# Altium PCB USB3.2_Hub_4Port.PcbDoc (part 3 of 4)
Units mm, origin at the board's own origin, x right, y up, seen from the top; angles counter-clockwise.
Board outline 100 x 50 mm, 6 copper layers (Top Layer, Int1 (GND), Int2 (Sign), Int3 (PWR), Int4 (GND), Bottom Layer), stack 1.484 mm thick; 182 components, 122 nets, 691 pads, 1354 vias.
Unrouted connection lines stored in the file: 48.
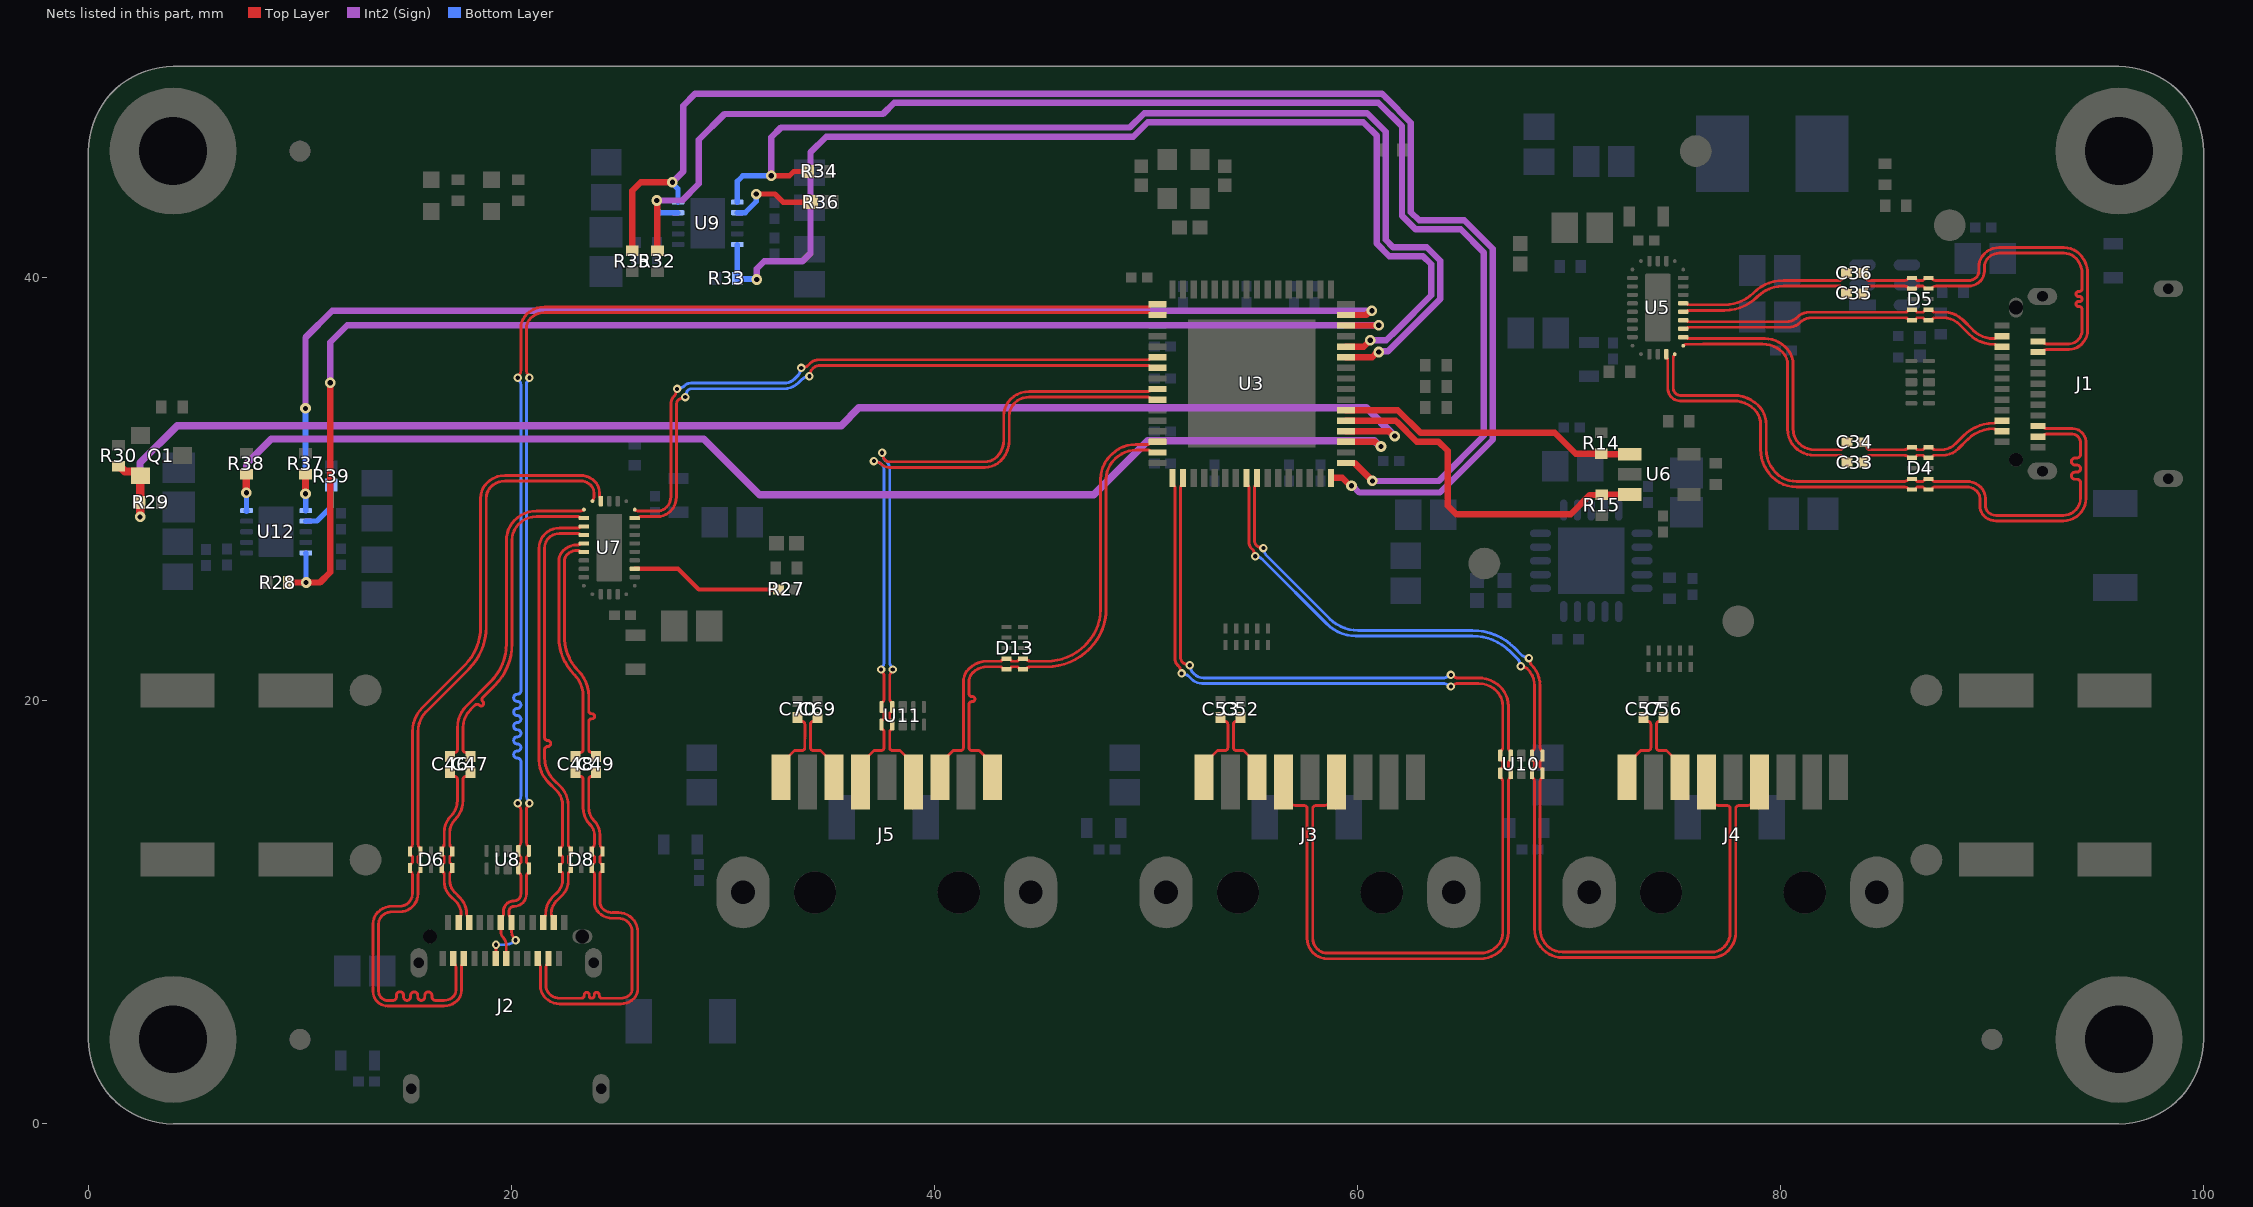
[diagram p7: the nets of this part, all layers, seen from the top]

## Via types
v1: diameter 0.4, hole 0.2, Top Layer to Bottom Layer, tented both sides, 905 vias
v2: diameter 0.5, hole 0.25, Top Layer to Bottom Layer, tented both sides, 358 vias
v3: diameter 0.6, hole 0.3, Top Layer to Bottom Layer, tented both sides, 48 vias
v4: diameter 0.5, hole 0.2, Top Layer to Bottom Layer, tented both sides, 20 vias
v5: diameter 0.5, hole 0.3, Top Layer to Bottom Layer, tented both sides, 9 vias
v6: diameter 1.2, hole 0.7, Top Layer to Bottom Layer, tented both sides, 4 vias
v7: diameter 1, hole 0.5, Top Layer to Bottom Layer, tented both sides, 4 vias
v8: diameter 0.45, hole 0.25, Top Layer to Bottom Layer, tented both sides, 4 vias
v9: diameter 0.5, hole 0.25, Top Layer to Bottom Layer, 2 vias

## Nets (pads, with @x,y where several pads share a name; then routed paths per layer and width w, separated by ;. In a path a pad name is that pad's centre, name@x,y a point inside that pad or via, vN(x,y) a via of type N, cw(c..) or ccw(c..) an arc to the next point about the centre after c; other vN are vias at no path point) (continued)
NetR27_2: R27.2 U7.3 | length 7.2
  Top Layer w0.2: U7.3@25.825,26.25 27.877,26.25 28.854,25.273 R27.2@32.621,25.273
NetR36_2: R36.2 U9.7 | length 4.2
  Top Layer w0.25: v2(31.572,43.967) 32.461,43.967 32.842,43.586 R36.2@34.138,43.586
  Bottom Layer w0.25: U9.7@30.678,43.085 30.683,43.09 31.051,43.09 31.572,43.612 v2(31.572,43.967)
NetR39_2: R39.2 U12.7 | length 2.5
  Bottom Layer w0.25: U12.7@10.275,28.5 10.28,28.505 10.801,28.505 11.469,29.173 11.469,30.192 R39.2@11.481,30.204
OVERCUR1: R28.2 U3.46 U12.10 | length 65.9
  Top Layer w0.3: R28.2@9.45,25.6 9.452,25.602 10.285,25.602 v2(10.287,25.603) 10.947,25.603 11.43,26.086 v2(11.43,35.052) ; U3.46@59.45,37.75 60.979,37.75 v2(60.998,37.77)
  Int2 (Sign) w0.3: v2(11.43,35.052) 11.43,36.957 12.243,37.77 v2(60.998,37.77)
  Bottom Layer w0.25: U12.10@10.276,27 10.281,26.995 10.281,25.609 v2(10.287,25.603)
OVERCUR2: R37.2 U3.47 U12.6 | length 61.4
  Top Layer w0.3: U3.47@59.45,38.25 60.421,38.25 60.626,38.456 v2(60.681,38.456)
  Top Layer w0.33: v2(10.262,29.794) R37.2@10.262,30.717
  Int2 (Sign) w0.3: v2(10.262,33.833) 10.262,37.186 11.532,38.456 v2(60.681,38.456)
  Bottom Layer w0.25: v2(10.262,29.794) 10.268,29.787 10.268,29.005 U12.6@10.275,29 U12.6@10.275,29
  Bottom Layer w0.3: v2(10.262,29.794) v2(10.262,33.833)
OVERCUR3: R33.2 U3.44 U9.10 | length 52.9
  Top Layer w0.3: U3.44@59.45,36.75 60.296,36.75 v2(60.604,37.059)
  Int2 (Sign) w0.3: v2(31.598,39.929) 31.598,40.437 31.953,40.792 33.757,40.792 34.138,41.173 34.138,45.949 34.874,46.685 49.401,46.685 50.083,47.367 60.278,47.367 60.909,46.736 60.909,41.631 61.507,41.033 61.874,41.033 63.097,41.033 63.486,40.644 63.486,39.179 61.874,37.567 61.366,37.059 v2(60.604,37.059)
  Bottom Layer w0.25: R33.2@30.675,39.98 30.676,39.978 30.676,41.584 U9.10@30.678,41.585
  Bottom Layer w0.3: R33.2@30.679,39.976 30.701,39.954 31.572,39.954 v2(31.598,39.929)
OVERCUR4: R34.2 U3.43 U9.6 | length 51.8
  Top Layer w0.25: v2(32.283,44.831) 33.145,44.831 33.348,45.034 R34.2@34.044,45.034
  Top Layer w0.3: U3.43@59.45,36.25 60.694,36.25 60.944,36.5 v2(60.998,36.5)
  Int2 (Sign) w0.3: v2(32.283,44.831) 32.283,46.66 32.741,47.117 49.239,47.117 49.909,47.787 60.452,47.787 61.329,46.91 61.329,41.805 61.681,41.453 61.874,41.453 63.271,41.453 63.906,40.818 63.906,39.005 61.874,36.973 61.44,36.538 61.037,36.538 v2(60.998,36.5)
  Bottom Layer w0.25: U9.6@30.678,43.585 30.678,44.572 30.937,44.831 v2(32.283,44.831)
PWRCTL1: Q1.2 R29.2 R30.1 U3.36 | length 69.1
  Top Layer w0.3: U3.36@59.45,32.75 61.484,32.75 61.71,32.525 v2(61.76,32.525)
  Top Layer w0.4: R30.1@1.422,31.1 1.472,31.1 1.722,30.85 2.25,30.85 Q1.2@2.45,30.65 2.448,30.648 R29.2@2.448,29.39 ; v2(2.438,28.702) 2.442,28.706 2.442,29.384 R29.2@2.448,29.39 ; R29.2@2.446,29.388 R29.2@2.448,29.39
  Int2 (Sign) w0.35: v2(2.438,28.702) 2.438,31.267 4.191,33.02 35.585,33.02 36.424,33.858 60.426,33.858 v2(61.76,32.525)
PWRCTL2: R38.2 U3.35 U12.5 | length 61.2
  Top Layer w0.3: U3.35@59.45,32.25 60.839,32.25 61.058,32.031 v2(61.112,32.031)
  Top Layer w0.35: R38.2@7.468,30.691 7.469,30.69 7.469,29.846 v2(7.47,29.845)
  Int2 (Sign) w0.35: v2(7.47,29.845) 7.47,31.219 8.636,32.385 29.083,32.385 31.725,29.743 47.523,29.743 50.089,32.309 60.794,32.309 61.072,32.031 v2(61.112,32.031)
  Bottom Layer w0.25: U12.5@7.472,29.003 v2@7.472,29.842
  Bottom Layer w0.3: v2(7.47,29.845) v2@7.472,29.842 ; U12.5@7.472,29.003 U12.5@7.475,29
PWRCTL3: R32.2 U3.33 U9.4 | length 68
  Top Layer w0.3: v2(26.873,43.663) 26.888,43.648 26.888,41.3 R32.2@26.903,41.285 ; U3.33@59.45,31.25 59.86,31.25 v2(60.706,30.404)
  Int2 (Sign) w0.3: v2(26.873,43.663) 28.067,43.663 28.854,44.45 28.854,46.533 30.074,47.752 37.567,47.752 38.1,48.285 60.985,48.285 62.103,47.168 62.103,42.942 62.742,42.303 64.875,42.303 65.976,41.203 65.976,32.534 63.846,30.404 v2(60.706,30.404)
  Bottom Layer w0.25: v2(26.873,43.663) 26.873,43.232 27.02,43.085 U9.4@27.878,43.085
PWRCTL4: R35.2 U3.32 U9.5 | length 71.8
  Top Layer w0.3: R35.2@25.703,41.285 25.703,44.118 26.111,44.526 v2(27.61,44.526) ; U3.32@58.75,30.55 59.286,30.55 59.661,30.175 v2(59.715,30.175)
  Int2 (Sign) w0.3: v2(27.61,44.526) 28.118,45.034 28.118,48.147 28.677,48.705 61.159,48.705 61.351,48.514 62.523,47.342 62.523,43.116 62.916,42.723 65.049,42.723 66.396,41.377 66.396,32.36 63.89,29.854 60.091,29.854 59.77,30.175 v2(59.715,30.175)
  Bottom Layer w0.25: v2(27.61,44.526) 27.61,44.483 27.878,44.215 U9.5@27.878,43.585
SCL: R14.1 U3.38 U6.1 | length 14.3
  Top Layer w0.3: U3.38@59.45,33.75 61.906,33.75 62.978,32.678 69.328,32.678 70.206,31.8 70.325,31.682 R14.1@71.526,31.682 71.534,31.674 72.868,31.674 U6.1@72.876,31.666
SDA: R15.1 U3.37 U6.3 | length 17.2
  Top Layer w0.3: U3.37@59.45,33.25 61.812,33.25 61.874,33.188 62.804,32.258 63.83,32.258 64.262,31.826 64.262,29.234 64.667,28.829 70.079,28.829 70.988,29.738 71.529,29.738 71.554,29.763 72.874,29.763 U6.3@72.876,29.766
SSRX1_DN1_CONN_N: D6.5 D6.6 J2.B10 U7.14 | length 39.5
  Top Layer w0.136: J2.B10@17.75,7.825 17.75,7.709 cw(c17.548,7.709) 17.691,7.566 ccw(c17.834,7.423) 17.631,7.423 17.631,6.314 cw(c16.952,6.314) 17.433,5.834 cw(c16.817,6.449) 16.817,5.579 14.15,5.579 cw(c14.15,6.276) 13.657,5.783 cw(c14.15,6.276) 13.453,6.276 13.453,9.462 cw(c14.236,9.462) 13.682,10.016 cw(c14.359,9.339) 14.359,10.296 14.731,10.296 ccw(c14.731,10.872) 15.138,10.465 ccw(c14.704,10.9) 15.319,10.9 15.319,11.751 ccw(c15.047,11.751) 15.239,11.943 15.232,11.943 15.216,11.959 cw(c15.255,11.998) 15.2,11.998 D6.6@15.2,12.113 15.2,12.25 15.232,12.282 15.239,12.282 15.319,12.362 15.319,12.638 15.239,12.718 15.232,12.718 15.2,12.75 D6.5@15.2,12.888 15.2,13.002 cw(c15.255,13.002) 15.216,13.041 15.232,13.057 15.239,13.057 ccw(c15.047,13.249) 15.319,13.249 15.319,18.553 cw(c16.93,18.553) 15.791,19.693 17.798,21.701 ccw(c16.002,23.497) 18.542,23.497 18.542,29.594 cw(c19.555,29.594) 18.839,30.31 cw(c19.699,29.45) 19.699,30.667 23.258,30.667 cw(c23.258,29.71) 23.935,30.387 cw(c23.4,29.852) 24.156,29.852 24.156,29.717 ccw(c24.273,29.717) 24.191,29.634 cw(c24.108,29.552) 24.225,29.552 U7.14@24.225,29.45
SSRX1_DN1_CONN_P: D6.4 D6.7 J2.B11 U7.15 | length 39.4
  Top Layer w0.136: J2.B11@17.25,7.825 17.25,7.709 ccw(c17.452,7.709) 17.309,7.566 cw(c17.166,7.423) 17.369,7.423 17.369,6.314 cw(c16.952,6.314) 17.247,6.02 cw(c16.817,6.449) 16.817,5.842 16.809,5.842 16.405,5.842 cw(c16.405,6.01) 16.238,6.01 16.238,6.079 ccw(c16.07,6.079) 16.07,6.247 ccw(c16.07,6.079) 15.902,6.079 15.902,6.01 cw(c15.734,6.01) 15.734,5.842 cw(c15.734,6.01) 15.567,6.01 15.567,6.079 ccw(c15.399,6.079) 15.399,6.247 ccw(c15.399,6.079) 15.231,6.079 15.231,6.01 cw(c15.063,6.01) 15.063,5.842 cw(c15.063,6.01) 14.895,6.01 14.895,6.085 ccw(c14.728,6.085) 14.728,6.252 ccw(c14.728,6.085) 14.56,6.085 14.56,6.01 cw(c14.392,6.01) 14.392,5.842 14.15,5.842 cw(c14.15,6.276) 13.843,5.969 cw(c14.15,6.276) 13.716,6.276 13.716,9.462 cw(c14.236,9.462) 13.868,9.83 cw(c14.359,9.339) 14.359,10.033 14.731,10.033 ccw(c14.731,10.872) 15.324,10.279 ccw(c14.704,10.9) 15.581,10.9 15.581,11.751 cw(c15.853,11.751) 15.661,11.943 15.668,11.943 15.684,11.959 ccw(c15.645,11.998) 15.7,11.998 D6.7@15.7,12.113 15.7,12.25 15.668,12.282 15.661,12.282 15.581,12.362 15.581,12.638 15.661,12.718 15.668,12.718 15.7,12.75 D6.4@15.7,12.888 15.7,13.002 ccw(c15.645,13.002) 15.684,13.041 15.668,13.057 15.661,13.057 cw(c15.853,13.249) 15.581,13.249 15.581,18.553 cw(c16.93,18.553) 15.977,19.507 17.984,21.515 ccw(c16.002,23.497) 18.805,23.497 18.805,29.594 cw(c19.555,29.594) 19.025,30.124 cw(c19.699,29.45) 19.699,30.404 23.258,30.404 cw(c23.258,29.71) 23.749,30.201 cw(c23.4,29.852) 23.894,29.852 23.894,29.627 cw(c23.66,29.627) 23.825,29.462 U7.15@23.825,29.45
SSRX1_UP_CONN_N: D4.5 D4.6 J1.B10 U5.14 | length 31.7
  Top Layer w0.136: U5.14@74.6,36.4 74.6,36.298 ccw(c74.717,36.298) 74.634,36.216 cw(c74.552,36.133) 74.669,36.133 74.669,34.786 ccw(c75.273,34.786) 74.846,34.358 ccw(c75.255,34.768) 75.255,34.188 77.784,34.188 cw(c77.784,32.801) 78.765,33.782 cw(c78.051,33.068) 79.061,33.068 79.061,31.889 ccw(c80.885,31.889) 79.595,30.599 ccw(c80.755,31.758) 80.755,30.119 85.851,30.119 cw(c85.851,29.847) 86.043,30.039 86.043,30.032 86.059,30.016 ccw(c86.098,30.055) 86.098,30 D4.5@86.212,30 86.35,30 86.382,30.032 86.382,30.039 86.462,30.119 86.738,30.119 86.818,30.039 86.818,30.032 86.85,30 D4.6@86.987,30 87.079,30 ccw(c87.079,30.11) 87.157,30.032 87.157,30.039 87.197,30.079 cw(c87.293,29.983) 87.293,30.119 88.805,30.119 cw(c88.805,29.445) 89.281,29.921 cw(c88.935,29.575) 89.424,29.575 89.424,29.237 ccw(c90.121,29.237) 89.628,28.745 ccw(c90.182,29.299) 90.182,28.515 93.377,28.515 ccw(c93.377,29.559) 94.115,28.821 94.137,28.843 ccw(c93.392,29.588) 94.446,29.588 94.446,32.205 ccw(c93.75,32.205) 94.242,32.698 ccw(c93.799,32.255) 93.799,32.881 92.577,32.881 cw(c92.577,33.084) 92.434,32.941 ccw(c92.291,32.798) 92.291,33 J1.B10@92.175,33
SSRX1_UP_CONN_P: D4.4 D4.7 J1.B11 U5.15 | length 31.6
  Top Layer w0.136: U5.15@75,36.4 75,36.388 ccw(c75.165,36.223) 74.931,36.223 74.931,34.786 ccw(c75.273,34.786) 75.032,34.544 ccw(c75.255,34.768) 75.255,34.451 77.784,34.451 cw(c77.784,32.801) 78.951,33.968 cw(c78.051,33.068) 79.324,33.068 79.324,31.889 ccw(c80.885,31.889) 79.781,30.785 ccw(c80.755,31.758) 80.755,30.381 85.851,30.381 ccw(c85.851,30.653) 86.043,30.461 86.043,30.468 86.059,30.484 cw(c86.098,30.445) 86.098,30.5 D4.4@86.212,30.5 86.35,30.5 86.382,30.468 86.382,30.461 86.462,30.381 86.738,30.381 86.818,30.461 86.818,30.468 86.85,30.5 D4.7@86.987,30.5 87.079,30.5 cw(c87.079,30.39) 87.157,30.468 87.157,30.461 87.197,30.421 ccw(c87.293,30.517) 87.293,30.381 88.805,30.381 cw(c88.805,29.445) 89.467,30.107 cw(c88.935,29.575) 89.687,29.575 89.687,29.237 ccw(c90.121,29.237) 89.814,28.931 ccw(c90.182,29.299) 90.182,28.778 93.377,28.778 ccw(c93.377,29.559) 93.929,29.007 93.952,29.029 ccw(c93.392,29.588) 94.183,29.588 94.183,30.248 94.183,30.316 ccw(c94.015,30.316) 94.015,30.484 93.921,30.484 cw(c93.921,30.652) 93.753,30.652 cw(c93.921,30.652) 93.921,30.819 94.015,30.819 ccw(c94.015,30.987) 94.183,30.987 ccw(c94.015,30.987) 94.015,31.155 93.921,31.155 cw(c93.921,31.323) 93.753,31.323 cw(c93.921,31.323) 93.921,31.491 94.015,31.491 ccw(c94.015,31.658) 94.183,31.658 94.183,32.205 ccw(c93.75,32.205) 94.183,32.213 ccw(c93.75,32.205) 94.056,32.512 ccw(c93.799,32.255) 93.799,32.619 92.577,32.619 ccw(c92.577,32.416) 92.434,32.559 cw(c92.291,32.702) 92.291,32.5 J1.B11@92.175,32.5
SSRX2_DN1_CONN_N: D8.5 D8.6 J2.A10 U7.18 | length 21.2
  Top Layer w0.136: J2.A10@21.5,9.525 21.5,9.641 cw(c21.702,9.641) 21.559,9.784 ccw(c21.416,9.927) 21.619,9.927 21.619,9.957 cw(c22.707,9.957) 21.937,10.727 22.187,10.976 ccw(c21.627,11.536) 22.418,11.536 22.418,11.807 ccw(c22.283,11.807) D8.6@22.379,11.903 ; D8.6@22.379,11.903 22.339,11.943 22.332,11.943 cw(c22.41,12.021) 22.3,12.021 D8.6@22.3,12.113 22.3,12.25 22.332,12.282 22.339,12.282 22.418,12.362 22.418,12.638 22.339,12.718 22.332,12.718 22.3,12.75 D8.5@22.3,12.888 22.3,13.002 cw(c22.355,13.002) 22.316,13.041 22.332,13.057 22.339,13.057 ccw(c22.147,13.249) 22.418,13.249 22.418,15.073 ccw(c21.441,15.073) 22.132,15.765 21.739,16.158 cw(c22.795,17.214) 21.302,17.214 21.302,27.221 cw(c22.258,27.221) 21.582,27.897 cw(c22.268,27.211) 22.268,28.181 23.158,28.181 ccw(c23.158,28.298) 23.241,28.216 cw(c23.323,28.133) 23.323,28.25 U7.18@23.425,28.25
SSRX2_DN1_CONN_P: D8.4 D8.7 J2.A11 U7.19 | length 21.1
  Top Layer w0.136: J2.A11@22,9.525 22,9.641 ccw(c21.798,9.641) 21.941,9.784 cw(c22.084,9.927) 21.881,9.927 21.881,9.957 cw(c22.707,9.957) 22.123,10.541 22.411,10.829 ccw(c21.759,11.481) 22.681,11.481 22.681,11.807 cw(c22.817,11.807) D8.7@22.721,11.903 ; D8.7@22.721,11.903 22.761,11.943 22.768,11.943 ccw(c22.69,12.021) 22.8,12.021 D8.7@22.8,12.113 22.8,12.25 22.768,12.282 22.761,12.282 22.681,12.362 22.681,12.638 22.761,12.718 22.768,12.718 22.8,12.75 D8.4@22.8,12.888 22.8,13.002 ccw(c22.745,13.002) 22.784,13.041 22.768,13.057 22.761,13.057 cw(c22.953,13.249) 22.681,13.249 22.681,15.073 ccw(c21.441,15.073) 22.318,15.951 22.002,16.267 cw(c23.058,17.323) 21.565,17.323 21.565,17.35 21.565,17.704 cw(c21.707,17.704) 21.707,17.847 21.716,17.847 ccw(c21.716,17.989) 21.716,18.132 21.707,18.132 cw(c21.707,18.275) 21.565,18.275 21.565,19.185 21.565,27.221 cw(c22.258,27.221) 21.768,27.711 cw(c22.268,27.211) 22.268,27.919 23.158,27.919 cw(c23.158,27.802) 23.241,27.884 ccw(c23.323,27.967) 23.323,27.85 U7.19@23.425,27.85
SSRX2_UP_CONN_N: D5.5 D5.6 J1.A10 U5.18 | length 15.7
  Top Layer w0.136: U5.18@75.4,37.6 75.502,37.6 ccw(c75.502,37.717) 75.584,37.634 cw(c75.667,37.552) 75.667,37.669 80.378,37.669 ccw(c80.378,38.437) 80.922,37.894 cw(c81.465,37.35) 81.465,38.119 85.907,38.119 cw(c85.907,37.983) 86.003,38.079 86.043,38.039 86.043,38.032 ccw(c86.121,38.11) D5.5@86.121,38 ; D5.5@86.212,38 86.35,38 86.382,38.032 86.382,38.039 86.462,38.119 86.738,38.119 86.818,38.039 86.818,38.032 86.85,38 D5.6@86.987,38 87.079,38 ccw(c87.079,38.11) 87.157,38.032 87.157,38.039 87.197,38.079 cw(c87.293,37.983) 87.293,38.119 87.691,38.119 cw(c87.691,37.022) 88.466,37.797 88.916,37.348 ccw(c90.073,38.505) 90.073,36.869 cw(c90.073,36.666) 90.216,36.809 ccw(c90.359,36.952) 90.359,36.75 J1.A10@90.475,36.75
SSRX2_UP_CONN_P: D5.4 D5.7 J1.A11 U5.19 | length 15.8
  Top Layer w0.136: U5.19@75.4,38 75.502,38 cw(c75.502,37.883) 75.584,37.966 ccw(c75.667,38.048) 75.667,37.931 80.27,37.931 ccw(c80.27,38.7) 80.813,38.156 cw(c81.356,37.613) 81.356,38.381 85.907,38.381 ccw(c85.907,38.517) 86.003,38.421 86.043,38.461 86.043,38.468 cw(c86.121,38.39) 86.121,38.5 D5.4@86.212,38.5 86.35,38.5 86.382,38.468 86.382,38.461 86.462,38.381 86.738,38.381 86.818,38.461 86.818,38.468 86.85,38.5 D5.7@86.987,38.5 87.079,38.5 cw(c87.079,38.39) 87.157,38.468 87.157,38.461 87.197,38.421 ccw(c87.293,38.517) 87.293,38.381 87.745,38.381 cw(c87.745,37.154) 88.613,38.022 89.102,37.534 ccw(c90.073,38.505) 90.073,37.131 ccw(c90.073,37.334) 90.216,37.191 cw(c90.359,37.048) 90.359,37.25 J1.A11@90.475,37.25
SSTX1_DN1_C_N: C47.1 U7.17 | length 15.6
  Top Layer w0.136: C47.1@18.059,17.379 ccw(c18.007,17.379) 18.044,17.415 17.927,17.532 ccw(c17.839,17.444) 17.839,17.568 cw(c17.839,17.693) 17.751,17.605 cw(c17.855,17.709) 17.708,17.709 17.708,18.735 cw(c18.908,18.735) 18.059,19.583 18.07,19.594 18.212,19.736 18.285,19.809 cw(c18.38,19.713) 18.476,19.809 18.484,19.801 ccw(c18.568,19.884) 18.651,19.801 ccw(c18.568,19.884) 18.651,19.967 18.643,19.975 cw(c18.739,20.071) 18.643,20.167 19.104,20.628 19.152,20.676 19.204,20.728 ccw(c17.225,22.708) 20.024,22.708 20.024,27.596 cw(c21.121,27.596) 20.345,28.372 cw(c21.182,27.535) 21.182,28.719 23.158,28.719 cw(c23.158,28.602) 23.241,28.684 ccw(c23.323,28.767) 23.323,28.65 U7.17@23.425,28.65
SSTX1_DN1_C_P: C46.1 U7.16 | length 15.7
  Top Layer w0.136: C46.1@17.094,17.379 cw(c17.146,17.379) 17.109,17.415 17.226,17.532 cw(c17.314,17.444) 17.314,17.568 ccw(c17.314,17.693) 17.402,17.605 ccw(c17.298,17.709) 17.445,17.709 17.445,18.735 cw(c18.908,18.735) 17.873,19.769 19.018,20.914 ccw(c17.225,22.708) 19.761,22.708 19.761,27.596 cw(c21.121,27.596) 20.159,28.558 cw(c21.182,27.535) 21.182,28.981 23.248,28.981 ccw(c23.248,29.215) 23.413,29.05 U7.16@23.425,29.05
SSTX1_DN1_CONN_N: C47.2 D6.1 D6.10 J2.A3 | length 7.9
  Top Layer w0.136: J2.A3@18,9.525 18,9.641 ccw(c17.798,9.641) 17.941,9.784 cw(c18.084,9.927) 17.881,9.927 ccw(c16.789,9.927) 17.562,10.699 17.323,10.938 cw(c17.907,11.521) 17.081,11.521 17.081,11.807 cw(c17.217,11.807) 17.121,11.903 17.161,11.943 17.168,11.943 ccw(c17.09,12.021) 17.2,12.021 D6.10@17.2,12.113 17.2,12.25 17.168,12.282 17.161,12.282 17.081,12.362 17.081,12.638 17.161,12.718 17.168,12.718 17.2,12.75 D6.1@17.2,12.888 17.2,13.002 ccw(c17.145,13.002) 17.184,13.041 17.168,13.057 17.161,13.057 cw(c17.353,13.249) 17.081,13.249 17.081,13.794 cw(c17.905,13.794) 17.323,14.376 ccw(c16.393,15.306) 17.708,15.306 17.708,16.296 cw(c17.844,16.296) 17.748,16.392 17.751,16.395 cw(c17.839,16.307) 17.839,16.432 ccw(c17.839,16.556) 17.927,16.468 18.044,16.585 ccw(c18.007,16.621) C47.2@18.059,16.621
SSTX1_DN1_CONN_P: C46.2 D6.2 D6.9 J2.A2 | length 7.9
  Top Layer w0.136: C46.2@17.094,16.621 ccw(c17.146,16.621) 17.109,16.585 17.226,16.468 ccw(c17.314,16.556) 17.314,16.432 cw(c17.314,16.307) 17.402,16.395 17.405,16.392 cw(c17.309,16.296) 17.445,16.296 17.445,15.306 cw(c16.393,15.306) 17.137,14.562 ccw(c17.905,13.794) 16.819,13.794 16.819,13.249 cw(c16.547,13.249) 16.739,13.057 16.732,13.057 16.716,13.041 ccw(c16.755,13.002) 16.7,13.002 D6.2@16.7,12.888 16.7,12.75 16.732,12.718 16.739,12.718 16.819,12.638 16.819,12.362 16.739,12.282 16.732,12.282 16.7,12.25 D6.9@16.7,12.113 16.7,12.021 ccw(c16.81,12.021) 16.732,11.943 16.739,11.943 16.779,11.903 cw(c16.683,11.807) 16.819,11.807 16.819,11.467 ccw(c17.775,11.467) 17.099,10.79 17.376,10.514 cw(c16.789,9.927) 17.619,9.927 cw(c17.416,9.927) 17.559,9.784 ccw(c17.702,9.641) 17.5,9.641 J2.A2@17.5,9.525
SSTX1_UP_C_N: C34.1 U5.17 | length 12.2
  Top Layer w0.136: U5.17@75.4,37.2 75.502,37.2 cw(c75.502,37.083) 75.584,37.166 ccw(c75.667,37.248) 75.667,37.131 76.228,37.131 76.231,37.135 79.255,37.135 cw(c79.255,35.764) 80.225,36.733 80.298,36.66 cw(c79.581,35.944) 80.594,35.944 80.594,32.856 ccw(c81.548,32.856) 80.874,32.182 ccw(c81.599,32.907) 81.599,31.881 82.807,31.881 ccw(c82.807,32.028) 82.91,31.924 ccw(c82.822,32.013) 82.947,32.013 cw(c83.072,32.013) C34.1@82.983,32.101 ; C34.1@82.983,32.101 83.1,32.218 cw(c83.137,32.181) C34.1@83.137,32.233
SSTX1_UP_C_P: C33.1 U5.16 | length 12.2
  Top Layer w0.136: U5.16@75.4,36.8 75.412,36.8 cw(c75.577,36.635) 75.577,36.869 76.337,36.869 76.34,36.872 79.152,36.872 cw(c79.152,35.515) 80.112,36.474 cw(c79.581,35.944) 80.331,35.944 80.331,32.856 ccw(c81.548,32.856) 80.688,31.996 ccw(c81.599,32.907) 81.599,31.619 82.807,31.619 cw(c82.807,31.472) 82.91,31.576 cw(c82.822,31.487) 82.947,31.487 ccw(c83.072,31.487) 82.983,31.399 83.1,31.282 ccw(c83.137,31.319) C33.1@83.137,31.267
SSTX1_UP_CONN_N: C34.2 D4.1 D4.10 J1.A3 | length 7.4
  Top Layer w0.136: C34.2@83.894,32.233 cw(c83.894,32.181) 83.93,32.218 84.047,32.101 cw(c83.959,32.013) 84.084,32.013 ccw(c84.209,32.013) 84.12,31.924 84.123,31.921 ccw(c84.219,32.017) 84.219,31.881 85.851,31.881 ccw(c85.851,32.153) 86.043,31.961 86.043,31.968 86.059,31.984 cw(c86.098,31.945) 86.098,32 D4.1@86.212,32 86.35,32 86.382,31.968 86.382,31.961 86.462,31.881 86.738,31.881 86.818,31.961 86.818,31.968 86.85,32 D4.10@86.987,32 87.079,32 cw(c87.079,31.89) 87.157,31.968 87.157,31.961 87.197,31.921 ccw(c87.293,32.017) 87.293,31.881 87.614,31.881 ccw(c87.614,32.792) 88.258,32.148 88.653,32.543 cw(c90.073,31.123) 90.073,33.131 ccw(c90.073,33.334) 90.216,33.191 cw(c90.359,33.048) 90.359,33.25 J1.A3@90.475,33.25